# KiCad board fmc_memory_adapter.kicad_pcb (continued)
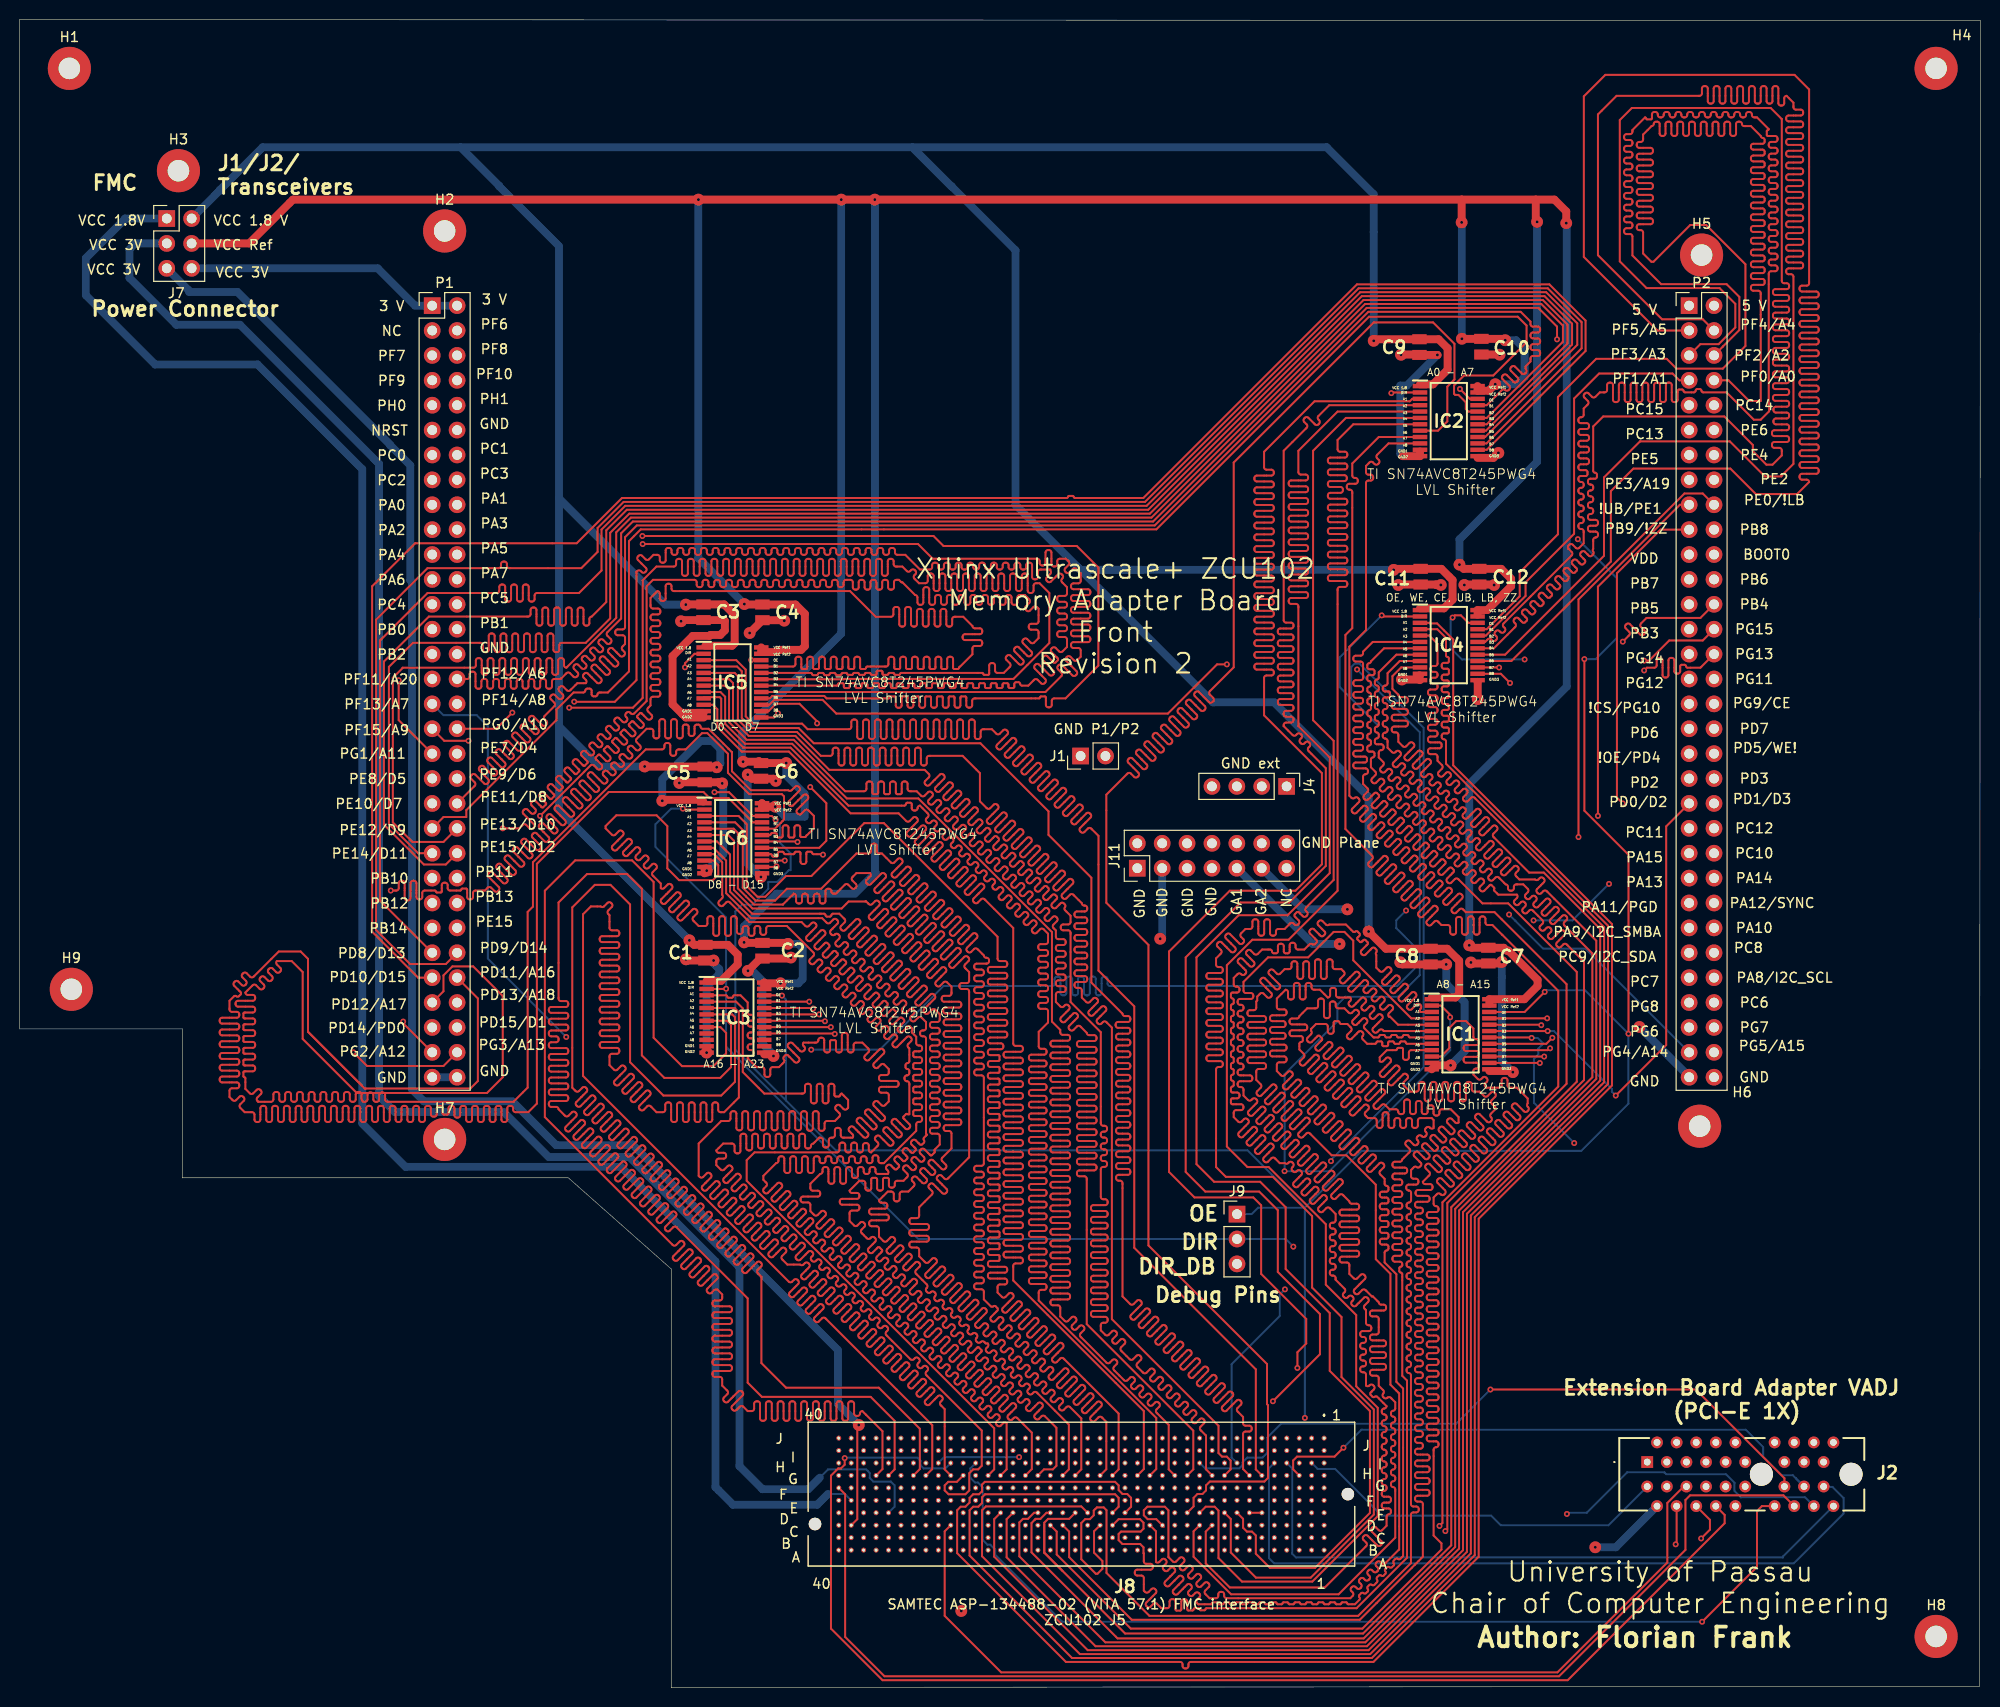
[diagram p0: board, top side]
## Routing (per net, layer and track width the routed paths; a pad name or vN(x,y) marks a point on that pad's centre or on a via; arc(x,y) is an arc through that point) (continued)
Net-(IC1-B1): length 198.5
  Top w0.2: IC1.21 v2(155.89,68.28)
  In2.Cu w0.2: P1.59 37.46,67.35 34.99,64.88 34.99,61.38 37.59,58.78 46.29,58.78 48.59,56.48 53.74,56.48 arc(53.91,56.55) 53.98,56.72 53.98,56.84 arc(54.05,57.01) 54.22,57.08 54.34,57.08 arc(54.51,57.01) 54.58,56.84 54.58,55.72 arc(54.65,55.55) 54.82,55.48 54.94,55.48 arc(55.11,55.55) 55.18,55.72 55.18,56.84 arc(55.25,57.01) 55.42,57.08 55.54,57.08 arc(55.71,57.01) 55.78,56.84 55.78,55.72 arc(55.85,55.55) 56.02,55.48 56.14,55.48 arc(56.31,55.55) 56.38,55.72 56.38,56.84 arc(56.45,57.01) 56.62,57.08 56.74,57.08 arc(56.91,57.01) 56.98,56.84 56.98,55.72 arc(57.05,55.55) 57.22,55.48 57.34,55.48 arc(57.51,55.55) 57.58,55.72 57.58,56.84 arc(57.65,57.01) 57.82,57.08 57.94,57.08 arc(58.11,57.01) 58.18,56.84 58.18,55.72 arc(58.25,55.55) 58.42,55.48 58.54,55.48 arc(58.71,55.55) 58.78,55.72 58.78,56.84 arc(58.85,57.01) 59.02,57.08 59.14,57.08 arc(59.31,57.01) 59.38,56.84 59.38,55.72 arc(59.45,55.55) 59.62,55.48 59.74,55.48 arc(59.91,55.55) 59.98,55.72 59.98,56.84 arc(60.05,57.01) 60.22,57.08 60.34,57.08 arc(60.51,57.01) 60.58,56.84 60.58,55.72 arc(60.65,55.55) 60.82,55.48 60.94,55.48 arc(61.11,55.55) 61.18,55.72 61.18,56.84 arc(61.25,57.01) 61.42,57.08 61.54,57.08 arc(61.71,57.01) 61.78,56.84 61.78,55.72 arc(61.85,55.55) 62.02,55.48 62.14,55.48 arc(62.31,55.55) 62.38,55.72 62.38,56.84 arc(62.45,57.01) 62.62,57.08 62.74,57.08 arc(62.91,57.01) 62.98,56.84 62.98,55.72 arc(63.05,55.55) 63.22,55.48 63.34,55.48 arc(63.51,55.55) 63.58,55.72 63.58,56.84 arc(63.65,57.01) 63.82,57.08 63.94,57.08 arc(64.11,57.01) 64.18,56.84 64.18,55.72 arc(64.25,55.55) 64.42,55.48 64.54,55.48 arc(64.71,55.55) 64.78,55.72 64.78,56.84 arc(64.85,57.01) 65.02,57.08 65.14,57.08 arc(65.31,57.01) 65.38,56.84 65.38,55.72 arc(65.45,55.55) 65.62,55.48 65.74,55.48 arc(65.91,55.55) 65.98,55.72 65.98,56.84 arc(66.05,57.01) 66.22,57.08 66.34,57.08 arc(66.51,57.01) 66.58,56.84 66.58,55.72 arc(66.65,55.55) 66.82,55.48 66.94,55.48 arc(67.11,55.55) 67.18,55.72 67.18,56.84 arc(67.25,57.01) 67.42,57.08 67.54,57.08 arc(67.71,57.01) 67.78,56.84 67.78,55.72 arc(67.85,55.55) 68.02,55.48 68.14,55.48 arc(68.31,55.55) 68.38,55.72 68.38,56.84 arc(68.45,57.01) 68.62,57.08 68.74,57.08 arc(68.91,57.01) 68.98,56.84 68.98,56.72 arc(69.05,56.55) 69.22,56.48 160.39,56.48 163.49,59.58 163.49,65.98 161.19,68.28 v2(155.89,68.28)
Net-(IC1-B2): length 198.5
  Top w0.2: v2(155.29,67.58) 155.24,67.63 IC1.20
  In2.Cu w0.2: P1.60 43.5,66.2 36.87,66.2 35.49,64.81 35.49,61.45 37.75,59.18 47.09,59.18 48.79,57.48 69.94,57.48 arc(70.11,57.55) 70.18,57.72 70.18,57.74 arc(70.25,57.91) 70.42,57.98 70.54,57.98 arc(70.71,57.91) 70.78,57.74 70.78,57.12 arc(70.85,56.95) 71.02,56.88 71.14,56.88 arc(71.31,56.95) 71.38,57.12 71.38,57.74 arc(71.45,57.91) 71.62,57.98 71.74,57.98 arc(71.91,57.91) 71.98,57.74 71.98,57.12 arc(72.05,56.95) 72.22,56.88 72.34,56.88 arc(72.51,56.95) 72.58,57.12 72.58,57.74 arc(72.65,57.91) 72.82,57.98 72.94,57.98 arc(73.11,57.91) 73.18,57.74 73.18,57.12 arc(73.25,56.95) 73.42,56.88 73.54,56.88 arc(73.71,56.95) 73.78,57.12 73.78,57.74 arc(73.85,57.91) 74.02,57.98 74.14,57.98 arc(74.31,57.91) 74.38,57.74 74.38,57.12 arc(74.45,56.95) 74.62,56.88 74.74,56.88 arc(74.91,56.95) 74.98,57.12 74.98,57.74 arc(75.05,57.91) 75.22,57.98 75.34,57.98 arc(75.51,57.91) 75.58,57.74 75.58,57.12 arc(75.65,56.95) 75.82,56.88 75.94,56.88 arc(76.11,56.95) 76.18,57.12 76.18,57.74 arc(76.25,57.91) 76.42,57.98 76.54,57.98 arc(76.71,57.91) 76.78,57.74 76.78,57.12 arc(76.85,56.95) 77.02,56.88 77.14,56.88 arc(77.31,56.95) 77.38,57.12 77.38,57.74 arc(77.45,57.91) 77.62,57.98 77.74,57.98 arc(77.91,57.91) 77.98,57.74 77.98,57.12 arc(78.05,56.95) 78.22,56.88 78.34,56.88 arc(78.51,56.95) 78.58,57.12 78.58,57.74 arc(78.65,57.91) 78.82,57.98 78.94,57.98 arc(79.11,57.91) 79.18,57.74 79.18,57.12 arc(79.25,56.95) 79.42,56.88 79.54,56.88 arc(79.71,56.95) 79.78,57.12 79.78,57.74 arc(79.85,57.91) 80.02,57.98 80.14,57.98 arc(80.31,57.91) 80.38,57.74 80.38,57.12 arc(80.45,56.95) 80.62,56.88 80.74,56.88 arc(80.91,56.95) 80.98,57.12 80.98,57.74 arc(81.05,57.91) 81.22,57.98 81.34,57.98 arc(81.51,57.91) 81.58,57.74 81.58,57.12 arc(81.65,56.95) 81.82,56.88 81.94,56.88 arc(82.11,56.95) 82.18,57.12 82.18,57.74 arc(82.25,57.91) 82.42,57.98 82.54,57.98 arc(82.71,57.91) 82.78,57.74 82.78,57.12 arc(82.85,56.95) 83.02,56.88 83.14,56.88 arc(83.31,56.95) 83.38,57.12 83.38,57.74 arc(83.45,57.91) 83.62,57.98 83.74,57.98 arc(83.91,57.91) 83.98,57.74 83.98,57.12 arc(84.05,56.95) 84.22,56.88 84.34,56.88 arc(84.51,56.95) 84.58,57.12 84.58,57.74 arc(84.65,57.91) 84.82,57.98 84.94,57.98 arc(85.11,57.91) 85.18,57.74 85.18,57.12 arc(85.25,56.95) 85.42,56.88 85.54,56.88 arc(85.71,56.95) 85.78,57.12 85.78,57.74 arc(85.85,57.91) 86.02,57.98 86.14,57.98 arc(86.31,57.91) 86.38,57.74 86.38,57.12 arc(86.45,56.95) 86.62,56.88 86.74,56.88 arc(86.91,56.95) 86.98,57.12 86.98,57.74 arc(87.05,57.91) 87.22,57.98 87.34,57.98 arc(87.51,57.91) 87.58,57.74 87.58,57.12 arc(87.65,56.95) 87.82,56.88 87.94,56.88 arc(88.11,56.95) 88.18,57.12 88.18,57.74 arc(88.25,57.91) 88.42,57.98 88.54,57.98 arc(88.71,57.91) 88.78,57.74 88.78,57.12 arc(88.85,56.95) 89.02,56.88 89.14,56.88 arc(89.31,56.95) 89.38,57.12 89.38,57.74 arc(89.45,57.91) 89.62,57.98 89.74,57.98 arc(89.91,57.91) 89.98,57.74 89.98,57.12 arc(90.05,56.95) 90.22,56.88 90.34,56.88 arc(90.51,56.95) 90.58,57.12 90.58,57.74 arc(90.65,57.91) 90.82,57.98 90.94,57.98 arc(91.11,57.91) 91.18,57.74 91.18,57.12 arc(91.25,56.95) 91.42,56.88 91.54,56.88 arc(91.71,56.95) 91.78,57.12 91.78,57.74 arc(91.85,57.91) 92.02,57.98 92.14,57.98 arc(92.31,57.91) 92.38,57.74 92.38,57.12 arc(92.45,56.95) 92.62,56.88 92.74,56.88 arc(92.91,56.95) 92.98,57.12 92.98,57.74 arc(93.05,57.91) 93.22,57.98 93.34,57.98 arc(93.51,57.91) 93.58,57.74 93.58,57.12 arc(93.65,56.95) 93.82,56.88 93.94,56.88 arc(94.11,56.95) 94.18,57.12 94.18,57.74 arc(94.25,57.91) 94.42,57.98 94.54,57.98 arc(94.71,57.91) 94.78,57.74 94.78,57.12 arc(94.85,56.95) 95.02,56.88 95.14,56.88 arc(95.31,56.95) 95.38,57.12 95.38,57.24 arc(95.45,57.41) 95.62,57.48 159.79,57.48 162.19,59.88 162.19,65.18 159.79,67.58 v2(155.29,67.58)
Net-(IC1-B3): length 48.7
  Top w0.2: IC1.19 v2(155.94,66.98) ; P2.41 168.03,87.87 168.03,65.55 v2(162.89,60.4)
  Bottom w0.2: v2(162.89,60.4) 162.49,60.79 162.49,61.07 156.59,66.98 v2(155.94,66.98)
Net-(IC1-B4): length 70.8
  Top w0.2: v2(154.3,66.28) 154.25,66.33 IC1.18
  In2.Cu w0.2: P2.42 178.6,84.53 178.6,62.7 175.31,59.41 166.91,59.41 163.05,55.55 v2(158.65,55.55)
  Bottom w0.2: v2(154.3,66.28) 154.92,66.28 155.4,65.8 155.4,65.6 154.99,65.19 154.99,64.59 154.54,64.14 154.54,59.66 158.7,55.5
Net-(IC1-B5): length 194.2
  Top w0.2: v2(156.42,66.3) 155.8,65.68 IC1.17
  In2.Cu w0.2: v2(156.42,66.3) 159.67,66.3 161.09,64.88 161.09,60.38 159.09,58.38 123.64,58.38 arc(123.47,58.31) 123.4,58.14 123.4,58.12 arc(123.33,57.95) 123.16,57.88 123.04,57.88 arc(122.87,57.95) 122.8,58.12 122.8,58.58 arc(122.74,58.72) 122.6,58.78 122.4,58.78 arc(122.26,58.72) 122.2,58.58 122.2,58.12 arc(122.13,57.95) 121.96,57.88 121.84,57.88 arc(121.67,57.95) 121.6,58.12 121.6,58.58 arc(121.54,58.72) 121.4,58.78 121.2,58.78 arc(121.06,58.72) 121,58.58 121,58.12 arc(120.93,57.95) 120.76,57.88 120.64,57.88 arc(120.47,57.95) 120.4,58.12 120.4,58.58 arc(120.34,58.72) 120.2,58.78 120,58.78 arc(119.86,58.72) 119.8,58.58 119.8,58.12 arc(119.73,57.95) 119.56,57.88 119.44,57.88 arc(119.27,57.95) 119.2,58.12 119.2,58.58 arc(119.14,58.72) 119,58.78 118.8,58.78 arc(118.66,58.72) 118.6,58.58 118.6,58.12 arc(118.53,57.95) 118.36,57.88 118.24,57.88 arc(118.07,57.95) 118,58.12 118,58.58 arc(117.94,58.72) 117.8,58.78 117.6,58.78 arc(117.46,58.72) 117.4,58.58 117.4,58.12 arc(117.33,57.95) 117.16,57.88 117.04,57.88 arc(116.87,57.95) 116.8,58.12 116.8,58.58 arc(116.74,58.72) 116.6,58.78 116.4,58.78 arc(116.26,58.72) 116.2,58.58 116.2,58.12 arc(116.13,57.95) 115.96,57.88 115.84,57.88 arc(115.67,57.95) 115.6,58.12 115.6,58.58 arc(115.54,58.72) 115.4,58.78 115.2,58.78 arc(115.06,58.72) 115,58.58 115,58.12 arc(114.93,57.95) 114.76,57.88 114.64,57.88 arc(114.47,57.95) 114.4,58.12 114.4,58.58 arc(114.34,58.72) 114.2,58.78 114,58.78 arc(113.86,58.72) 113.8,58.58 113.8,58.12 arc(113.73,57.95) 113.56,57.88 113.44,57.88 arc(113.27,57.95) 113.2,58.12 113.2,58.58 arc(113.14,58.72) 113,58.78 112.8,58.78 arc(112.66,58.72) 112.6,58.58 112.6,58.12 arc(112.53,57.95) 112.36,57.88 112.24,57.88 arc(112.07,57.95) 112,58.12 112,58.58 arc(111.94,58.72) 111.8,58.78 111.6,58.78 arc(111.46,58.72) 111.4,58.58 111.4,58.12 arc(111.33,57.95) 111.16,57.88 111.04,57.88 arc(110.87,57.95) 110.8,58.12 110.8,58.58 arc(110.74,58.72) 110.6,58.78 110.4,58.78 arc(110.26,58.72) 110.2,58.58 110.2,58.12 arc(110.13,57.95) 109.96,57.88 109.84,57.88 arc(109.67,57.95) 109.6,58.12 109.6,58.58 arc(109.54,58.72) 109.4,58.78 109.2,58.78 arc(109.06,58.72) 109,58.58 109,58.12 arc(108.93,57.95) 108.76,57.88 108.64,57.88 arc(108.47,57.95) 108.4,58.12 108.4,58.58 arc(108.34,58.72) 108.2,58.78 108,58.78 arc(107.86,58.72) 107.8,58.58 107.8,58.12 arc(107.73,57.95) 107.56,57.88 107.44,57.88 arc(107.27,57.95) 107.2,58.12 107.2,58.58 arc(107.14,58.72) 107,58.78 106.8,58.78 arc(106.66,58.72) 106.6,58.58 106.6,58.12 arc(106.53,57.95) 106.36,57.88 106.24,57.88 arc(106.07,57.95) 106,58.12 106,58.58 arc(105.94,58.72) 105.8,58.78 105.6,58.78 arc(105.46,58.72) 105.4,58.58 105.4,58.12 arc(105.33,57.95) 105.16,57.88 105.04,57.88 arc(104.87,57.95) 104.8,58.12 104.8,58.58 arc(104.74,58.72) 104.6,58.78 104.4,58.78 arc(104.26,58.72) 104.2,58.58 104.2,58.12 arc(104.13,57.95) 103.96,57.88 103.84,57.88 arc(103.67,57.95) 103.6,58.12 103.6,58.58 arc(103.54,58.72) 103.4,58.78 103.2,58.78 arc(103.06,58.72) 103,58.58 103,58.12 arc(102.93,57.95) 102.76,57.88 102.64,57.88 arc(102.47,57.95) 102.4,58.12 102.4,58.58 arc(102.34,58.72) 102.2,58.78 102,58.78 arc(101.86,58.72) 101.8,58.58 101.8,58.12 arc(101.73,57.95) 101.56,57.88 101.44,57.88 arc(101.27,57.95) 101.2,58.12 101.2,58.58 arc(101.14,58.72) 101,58.78 100.8,58.78 arc(100.66,58.72) 100.6,58.58 100.6,58.12 arc(100.53,57.95) 100.36,57.88 100.24,57.88 arc(100.07,57.95) 100,58.12 100,58.58 arc(99.94,58.72) 99.8,58.78 99.6,58.78 arc(99.46,58.72) 99.4,58.58 99.4,58.12 arc(99.33,57.95) 99.16,57.88 99.04,57.88 arc(98.87,57.95) 98.8,58.12 98.8,58.58 arc(98.74,58.72) 98.6,58.78 98.4,58.78 arc(98.26,58.72) 98.2,58.58 98.2,58.12 arc(98.13,57.95) 97.96,57.88 97.84,57.88 arc(97.67,57.95) 97.6,58.12 97.6,58.58 arc(97.54,58.72) 97.4,58.78 97.2,58.78 arc(97.06,58.72) 97,58.58 arc(96.94,58.44) 96.8,58.38 57.43,58.38 48.29,67.52 48.29,78.78 46.98,80.09 46.98,92.96 P1.38
Net-(IC1-B6): length 197.6
  Top w0.2: IC1.16 155.94,65.03 156.19,65.28 v2(156.19,65.22)
  In2.Cu w0.2: P1.39 43.26,93.9 43.26,95.77 43.93,96.44 45.12,96.44 48.04,93.53 48.04,80.05 48.92,79.17 48.92,67.6 57.34,59.18 125.89,59.18 arc(126.03,59.24) 126.09,59.38 arc(126.14,59.51) 126.28,59.57 126.49,59.57 arc(126.63,59.51) 126.69,59.38 126.69,58.98 arc(126.75,58.84) 126.89,58.79 127.09,58.79 arc(127.23,58.84) 127.29,58.98 127.29,59.38 arc(127.35,59.52) 127.49,59.57 127.69,59.57 arc(127.83,59.52) 127.89,59.38 127.89,58.98 arc(127.95,58.84) 128.09,58.79 128.29,58.79 arc(128.43,58.84) 128.49,58.98 128.49,59.38 arc(128.55,59.52) 128.69,59.57 128.89,59.57 arc(129.03,59.52) 129.09,59.38 129.09,58.98 arc(129.15,58.84) 129.29,58.79 129.49,58.79 arc(129.63,58.84) 129.69,58.98 129.69,59.38 arc(129.75,59.52) 129.89,59.57 130.09,59.57 arc(130.23,59.52) 130.29,59.38 130.29,58.98 arc(130.35,58.84) 130.49,58.79 130.69,58.79 arc(130.83,58.84) 130.89,58.98 130.89,59.38 arc(130.95,59.52) 131.09,59.57 131.29,59.57 arc(131.43,59.52) 131.49,59.38 131.49,58.98 arc(131.55,58.84) 131.69,58.79 131.89,58.79 arc(132.03,58.84) 132.09,58.98 132.09,59.38 arc(132.15,59.52) 132.29,59.57 132.49,59.57 arc(132.63,59.52) 132.69,59.38 132.69,58.98 arc(132.75,58.84) 132.89,58.79 133.09,58.79 arc(133.23,58.84) 133.29,58.98 133.29,59.38 arc(133.35,59.52) 133.49,59.57 133.69,59.57 arc(133.83,59.52) 133.89,59.38 133.89,58.98 arc(133.95,58.84) 134.09,58.79 134.29,58.79 arc(134.43,58.84) 134.49,58.98 134.49,59.38 arc(134.55,59.52) 134.69,59.57 134.89,59.57 arc(135.03,59.52) 135.09,59.38 135.09,58.98 arc(135.15,58.84) 135.29,58.79 135.49,58.79 arc(135.63,58.84) 135.69,58.98 135.69,59.38 arc(135.75,59.52) 135.89,59.57 136.09,59.57 arc(136.23,59.52) 136.29,59.38 136.29,58.98 arc(136.35,58.84) 136.49,58.79 136.69,58.79 arc(136.83,58.84) 136.89,58.98 136.89,59.38 arc(136.95,59.52) 137.09,59.57 137.29,59.57 arc(137.43,59.52) 137.49,59.38 137.49,58.98 arc(137.55,58.84) 137.69,58.79 137.89,58.79 arc(138.03,58.84) 138.09,58.98 138.09,59.38 arc(138.15,59.52) 138.29,59.57 138.49,59.57 arc(138.63,59.52) 138.69,59.38 138.69,58.98 arc(138.75,58.84) 138.89,58.79 139.09,58.79 arc(139.23,58.84) 139.29,58.98 139.29,59.38 arc(139.35,59.52) 139.49,59.57 139.69,59.57 arc(139.83,59.52) 139.89,59.38 139.89,58.98 arc(139.95,58.84) 140.09,58.79 140.29,58.79 arc(140.43,58.84) 140.49,58.98 140.49,59.38 arc(140.55,59.52) 140.69,59.57 140.89,59.57 arc(141.03,59.52) 141.09,59.38 141.09,58.98 arc(141.15,58.84) 141.29,58.79 141.49,58.79 arc(141.63,58.84) 141.69,58.98 141.69,59.38 arc(141.75,59.52) 141.89,59.57 142.09,59.57 arc(142.23,59.52) 142.29,59.38 142.29,58.98 arc(142.35,58.84) 142.49,58.79 142.69,58.79 arc(142.83,58.84) 142.89,58.98 142.89,59.38 arc(142.95,59.52) 143.09,59.57 143.29,59.57 arc(143.43,59.52) 143.49,59.38 143.49,58.98 arc(143.55,58.84) 143.69,58.79 143.89,58.79 arc(144.03,58.84) 144.09,58.98 144.09,59.38 arc(144.15,59.52) 144.29,59.57 144.49,59.57 arc(144.63,59.52) 144.69,59.38 144.69,58.98 arc(144.75,58.84) 144.89,58.79 145.09,58.79 arc(145.23,58.84) 145.29,58.98 145.29,59.38 arc(145.35,59.52) 145.49,59.57 145.69,59.57 arc(145.83,59.52) 145.89,59.38 145.89,58.98 arc(145.95,58.84) 146.09,58.79 146.29,58.79 arc(146.43,58.84) 146.49,58.98 146.49,59.38 arc(146.55,59.52) 146.69,59.57 146.89,59.57 arc(147.03,59.52) 147.09,59.38 147.09,58.98 arc(147.15,58.84) 147.29,58.79 147.49,58.79 arc(147.63,58.84) 147.69,58.98 147.69,59.38 arc(147.75,59.52) 147.89,59.57 148.09,59.57 arc(148.23,59.52) 148.29,59.38 148.29,58.98 arc(148.35,58.84) 148.49,58.79 148.69,58.79 arc(148.83,58.84) 148.89,58.98 148.89,59.38 arc(148.95,59.52) 149.09,59.57 149.29,59.57 arc(149.43,59.52) 149.49,59.38 149.49,58.98 arc(149.55,58.84) 149.69,58.79 149.89,58.79 arc(150.03,58.84) 150.09,58.98 150.09,59.38 arc(150.15,59.52) 150.29,59.57 150.49,59.57 arc(150.63,59.52) 150.69,59.38 150.69,58.98 arc(150.75,58.84) 150.89,58.79 151.09,58.79 arc(151.23,58.84) 151.29,58.98 151.29,59.38 arc(151.35,59.52) 151.49,59.57 151.69,59.57 arc(151.83,59.52) 151.89,59.38 151.89,58.98 arc(151.95,58.84) 152.09,58.79 152.29,58.79 arc(152.43,58.84) 152.49,58.98 152.49,59.38 arc(152.55,59.52) 152.69,59.57 152.89,59.57 arc(153.03,59.52) 153.09,59.38 153.09,58.98 arc(153.15,58.84) 153.29,58.79 153.49,58.79 arc(153.63,58.84) 153.69,58.98 153.69,59.38 arc(153.75,59.52) 153.89,59.57 154.09,59.57 arc(154.23,59.52) 154.29,59.38 154.29,58.98 arc(154.35,58.84) 154.49,58.79 154.69,58.79 arc(154.83,58.84) 154.89,58.98 154.89,59.38 arc(154.95,59.51) 155.09,59.57 155.29,59.57 arc(155.43,59.51) 155.49,59.38 arc(155.55,59.24) 155.69,59.18 157.43,59.18 ; 158.39,59.18 157.43,59.18 ; 158.39,59.18 157.43,59.18 ; 158.39,59.18 159.34,60.13 ; 159.34,60.13 158.49,59.28 158.49,59.18 ; 159.34,60.13 159.89,60.68 159.89,64.38 159.05,65.22 v2(156.19,65.22)
Net-(IC1-B7): length 195.9
  Top w0.2: IC1.15 v2(155.59,64.38)
  In2.Cu w0.2: v2(155.59,64.38) 157.99,64.38 158.79,63.58 158.79,60.88 157.89,59.98 125.7,59.98 arc(125.57,59.92) 125.51,59.79 arc(125.45,59.65) 125.32,59.6 125.09,59.6 arc(124.96,59.65) 124.9,59.79 124.9,60.33 arc(124.83,60.5) 124.66,60.57 124.54,60.57 arc(124.37,60.5) 124.3,60.33 124.3,59.79 arc(124.24,59.65) 124.11,59.59 123.89,59.59 arc(123.76,59.65) 123.7,59.79 123.7,60.33 arc(123.63,60.5) 123.46,60.57 123.34,60.57 arc(123.17,60.5) 123.1,60.33 123.1,59.79 arc(123.04,59.65) 122.91,59.59 122.69,59.59 arc(122.56,59.65) 122.5,59.79 122.5,60.33 arc(122.43,60.5) 122.26,60.57 122.14,60.57 arc(121.97,60.5) 121.9,60.33 121.9,59.79 arc(121.84,59.65) 121.71,59.59 121.49,59.59 arc(121.36,59.65) 121.3,59.79 121.3,60.33 arc(121.23,60.5) 121.06,60.57 120.94,60.57 arc(120.77,60.5) 120.7,60.33 120.7,59.79 arc(120.64,59.65) 120.51,59.59 120.29,59.59 arc(120.16,59.65) 120.1,59.79 120.1,60.33 arc(120.03,60.5) 119.86,60.57 119.74,60.57 arc(119.57,60.5) 119.5,60.33 119.5,59.79 arc(119.44,59.65) 119.31,59.59 119.09,59.59 arc(118.96,59.65) 118.9,59.79 118.9,60.33 arc(118.83,60.5) 118.66,60.57 118.54,60.57 arc(118.37,60.5) 118.3,60.33 118.3,59.79 arc(118.24,59.65) 118.11,59.59 117.89,59.59 arc(117.76,59.65) 117.7,59.79 117.7,60.33 arc(117.63,60.5) 117.46,60.57 117.34,60.57 arc(117.17,60.5) 117.1,60.33 117.1,59.79 arc(117.04,59.65) 116.91,59.59 116.69,59.59 arc(116.56,59.65) 116.5,59.79 116.5,60.33 arc(116.43,60.5) 116.26,60.57 116.14,60.57 arc(115.97,60.5) 115.9,60.33 115.9,59.79 arc(115.84,59.65) 115.71,59.59 115.49,59.59 arc(115.36,59.65) 115.3,59.79 115.3,60.33 arc(115.23,60.5) 115.06,60.57 114.94,60.57 arc(114.77,60.5) 114.7,60.33 114.7,59.79 arc(114.64,59.65) 114.51,59.59 114.29,59.59 arc(114.16,59.65) 114.1,59.79 114.1,60.33 arc(114.03,60.5) 113.86,60.57 113.74,60.57 arc(113.57,60.5) 113.5,60.33 113.5,59.79 arc(113.44,59.65) 113.31,59.59 113.09,59.59 arc(112.96,59.65) 112.9,59.79 112.9,60.33 arc(112.83,60.5) 112.66,60.57 112.54,60.57 arc(112.37,60.5) 112.3,60.33 112.3,59.79 arc(112.24,59.65) 112.11,59.59 111.89,59.59 arc(111.76,59.65) 111.7,59.79 111.7,60.33 arc(111.63,60.5) 111.46,60.57 111.34,60.57 arc(111.17,60.5) 111.1,60.33 111.1,59.79 arc(111.04,59.65) 110.91,59.59 110.69,59.59 arc(110.56,59.65) 110.5,59.79 110.5,60.33 arc(110.43,60.5) 110.26,60.57 110.14,60.57 arc(109.97,60.5) 109.9,60.33 109.9,59.79 arc(109.84,59.65) 109.71,59.59 109.49,59.59 arc(109.36,59.65) 109.3,59.79 109.3,60.33 arc(109.23,60.5) 109.06,60.57 108.94,60.57 arc(108.77,60.5) 108.7,60.33 108.7,60.22 arc(108.63,60.05) 108.46,59.98 57.5,59.98 49.32,68.16 49.32,81.32 50.09,82.09 50.09,93.88 49.25,94.71 49.25,94.85 44.88,99.22 41.13,99.22 40.89,98.98 40.89,92.1 41.39,91.6 43.5,91.6 P1.40
Net-(IC1-B8): length 196.1
  Top w0.2: v2(155.14,63.72) 155.14,63.73 IC1.14
  In2.Cu w0.2: P1.41 40.49,91.83 40.49,100.58 41.43,101.52 46.85,101.52 54.04,94.33 54.04,87.88 51.49,87.88 50.69,87.08 50.69,81.78 49.72,80.81 49.72,69.32 58.06,60.98 126.36,60.98 arc(126.53,61.05) 126.6,61.22 126.6,61.58 arc(126.67,61.75) 126.84,61.82 126.96,61.82 arc(127.13,61.75) 127.2,61.58 127.2,60.63 arc(127.27,60.46) 127.44,60.39 127.56,60.39 arc(127.73,60.46) 127.8,60.63 127.8,61.58 arc(127.87,61.75) 128.04,61.82 128.16,61.82 arc(128.33,61.75) 128.4,61.58 128.4,60.63 arc(128.47,60.46) 128.64,60.39 128.76,60.39 arc(128.93,60.46) 129,60.63 129,61.58 arc(129.07,61.75) 129.24,61.82 129.36,61.82 arc(129.53,61.75) 129.6,61.58 129.6,60.63 arc(129.67,60.46) 129.84,60.39 129.96,60.39 arc(130.13,60.46) 130.2,60.63 130.2,61.58 arc(130.27,61.75) 130.44,61.82 130.56,61.82 arc(130.73,61.75) 130.8,61.58 130.8,60.63 arc(130.87,60.46) 131.04,60.39 131.16,60.39 arc(131.33,60.46) 131.4,60.63 131.4,61.58 arc(131.47,61.75) 131.64,61.82 131.76,61.82 arc(131.93,61.75) 132,61.58 132,60.63 arc(132.07,60.46) 132.24,60.39 132.36,60.39 arc(132.53,60.46) 132.6,60.63 132.6,61.58 arc(132.67,61.75) 132.84,61.82 132.96,61.82 arc(133.13,61.75) 133.2,61.58 133.2,60.63 arc(133.27,60.46) 133.44,60.39 133.56,60.39 arc(133.73,60.46) 133.8,60.63 133.8,61.58 arc(133.87,61.75) 134.04,61.82 134.16,61.82 arc(134.33,61.75) 134.4,61.58 134.4,60.63 arc(134.47,60.46) 134.64,60.39 134.76,60.39 arc(134.93,60.46) 135,60.63 135,61.58 arc(135.07,61.75) 135.24,61.82 135.36,61.82 arc(135.53,61.75) 135.6,61.58 135.6,61.22 arc(135.67,61.05) 135.84,60.98 157.29,60.98 157.89,61.58 157.89,62.98 157.19,63.67 155.18,63.67 v2(155.14,63.72)
Net-(IC1-DIR): length 161.5
  Top w0.2: v2(139.99,132.08) 140.06,132.15 IC2.2 ; IC1.2 145.05,69.58 145.92,68.71 145.92,68.46 v2(145.99,68.39)
  In2.Cu w0.2: J9.3 126.45,43.22 129.09,40.58 v2(129.09,52.68) ; v2(139.99,132.08) 136.49,128.58 v2(136.49,103.88)
  Bottom w0.2: v2(145.99,68.39) 145.99,65.02 133.65,52.68 v2(129.09,52.68) 129.09,62.58 134.49,67.98 134.49,69.68 135.29,70.48 140.69,70.48 142.89,72.68 142.89,97.48 v2(136.49,103.88) ; J8.H8 123.69,23.45 123.69,32.99 128.6,37.9 128.6,40.09 v2(129.13,40.62)
Net-(IC1-VCCA): length 488.5
  Top w0.8: 142.91,132.97 144.23,132.97 145.73,134.47 145.73,136.66 144.81,137.58 C9.2 138.35,137.58 v1(138.19,137.42) ; v1(71.14,93.9) 71.08,93.97 C5.2 63.9,93.97 63.89,93.98 v1(63.79,93.98) ; v1(65.59,90.48) 65.69,90.58 69.6,90.58 69.77,90.4 ; v1(68.36,76.24) 68.82,75.78 C1.2 72.28,75.78 73.29,74.78 73.29,73.78 71.61,72.1 70.11,72.1 ; v1(137.66,77.14) 139.43,75.38 C8.2 145.68,75.38 146.91,74.15 146.91,70.78 146.54,70.4 144.11,70.4 ; v1(67.99,110.5) 68.01,110.52 C3.1 71.89,110.52 72.97,109.44 72.97,106.57 72.71,106.3 69.99,106.3 ; 142.91,110.11 145.35,110.11 146.24,111 146.24,113 145.09,114.15 C11.2 140.33,114.15 v1(140.22,114.04)
  Bottom w0.8: v1(140.22,114.04) 108.85,114.04 ; 107.93,114.38 101.64,120.67 101.64,146.65 95.11,153.18 95.1,153.18 91.1,157.18 ; 107.93,114.38 108.26,114.04 108.85,114.04 ; 107.93,114.38 121.78,100.53 128.03,100.53 137.66,90.89 v1(137.66,77.14) ; v1(68.36,76.24) 55.05,89.55 55.05,98.08 ; 55.05,121.35 55.05,98.08 ; 55.05,121.35 65.9,110.5 v1(67.99,110.5) ; 55.05,121.35 55.05,147.08 48.95,153.18 48.95,153.23 45,157.18 ; 55.05,98.08 59.15,93.98 v1(63.79,93.98) ; 108.85,114.04 114.51,114.04 ; 91.1,157.18 45,157.18 ; 91.1,157.18 133.39,157.18 138.19,152.38 v1(138.19,137.42) ; 45,157.18 24.8,157.18 20.42,152.79 20.42,152.76 J7.2 ; v1(65.59,90.48) 65.59,92.68 69.49,96.58 70.49,96.58 70.59,96.68 71.51,95.75 71.51,94.27 v1(71.14,93.9)
